# KiCad board AmigaPCI Mainboard.kicad_pcb (continued)
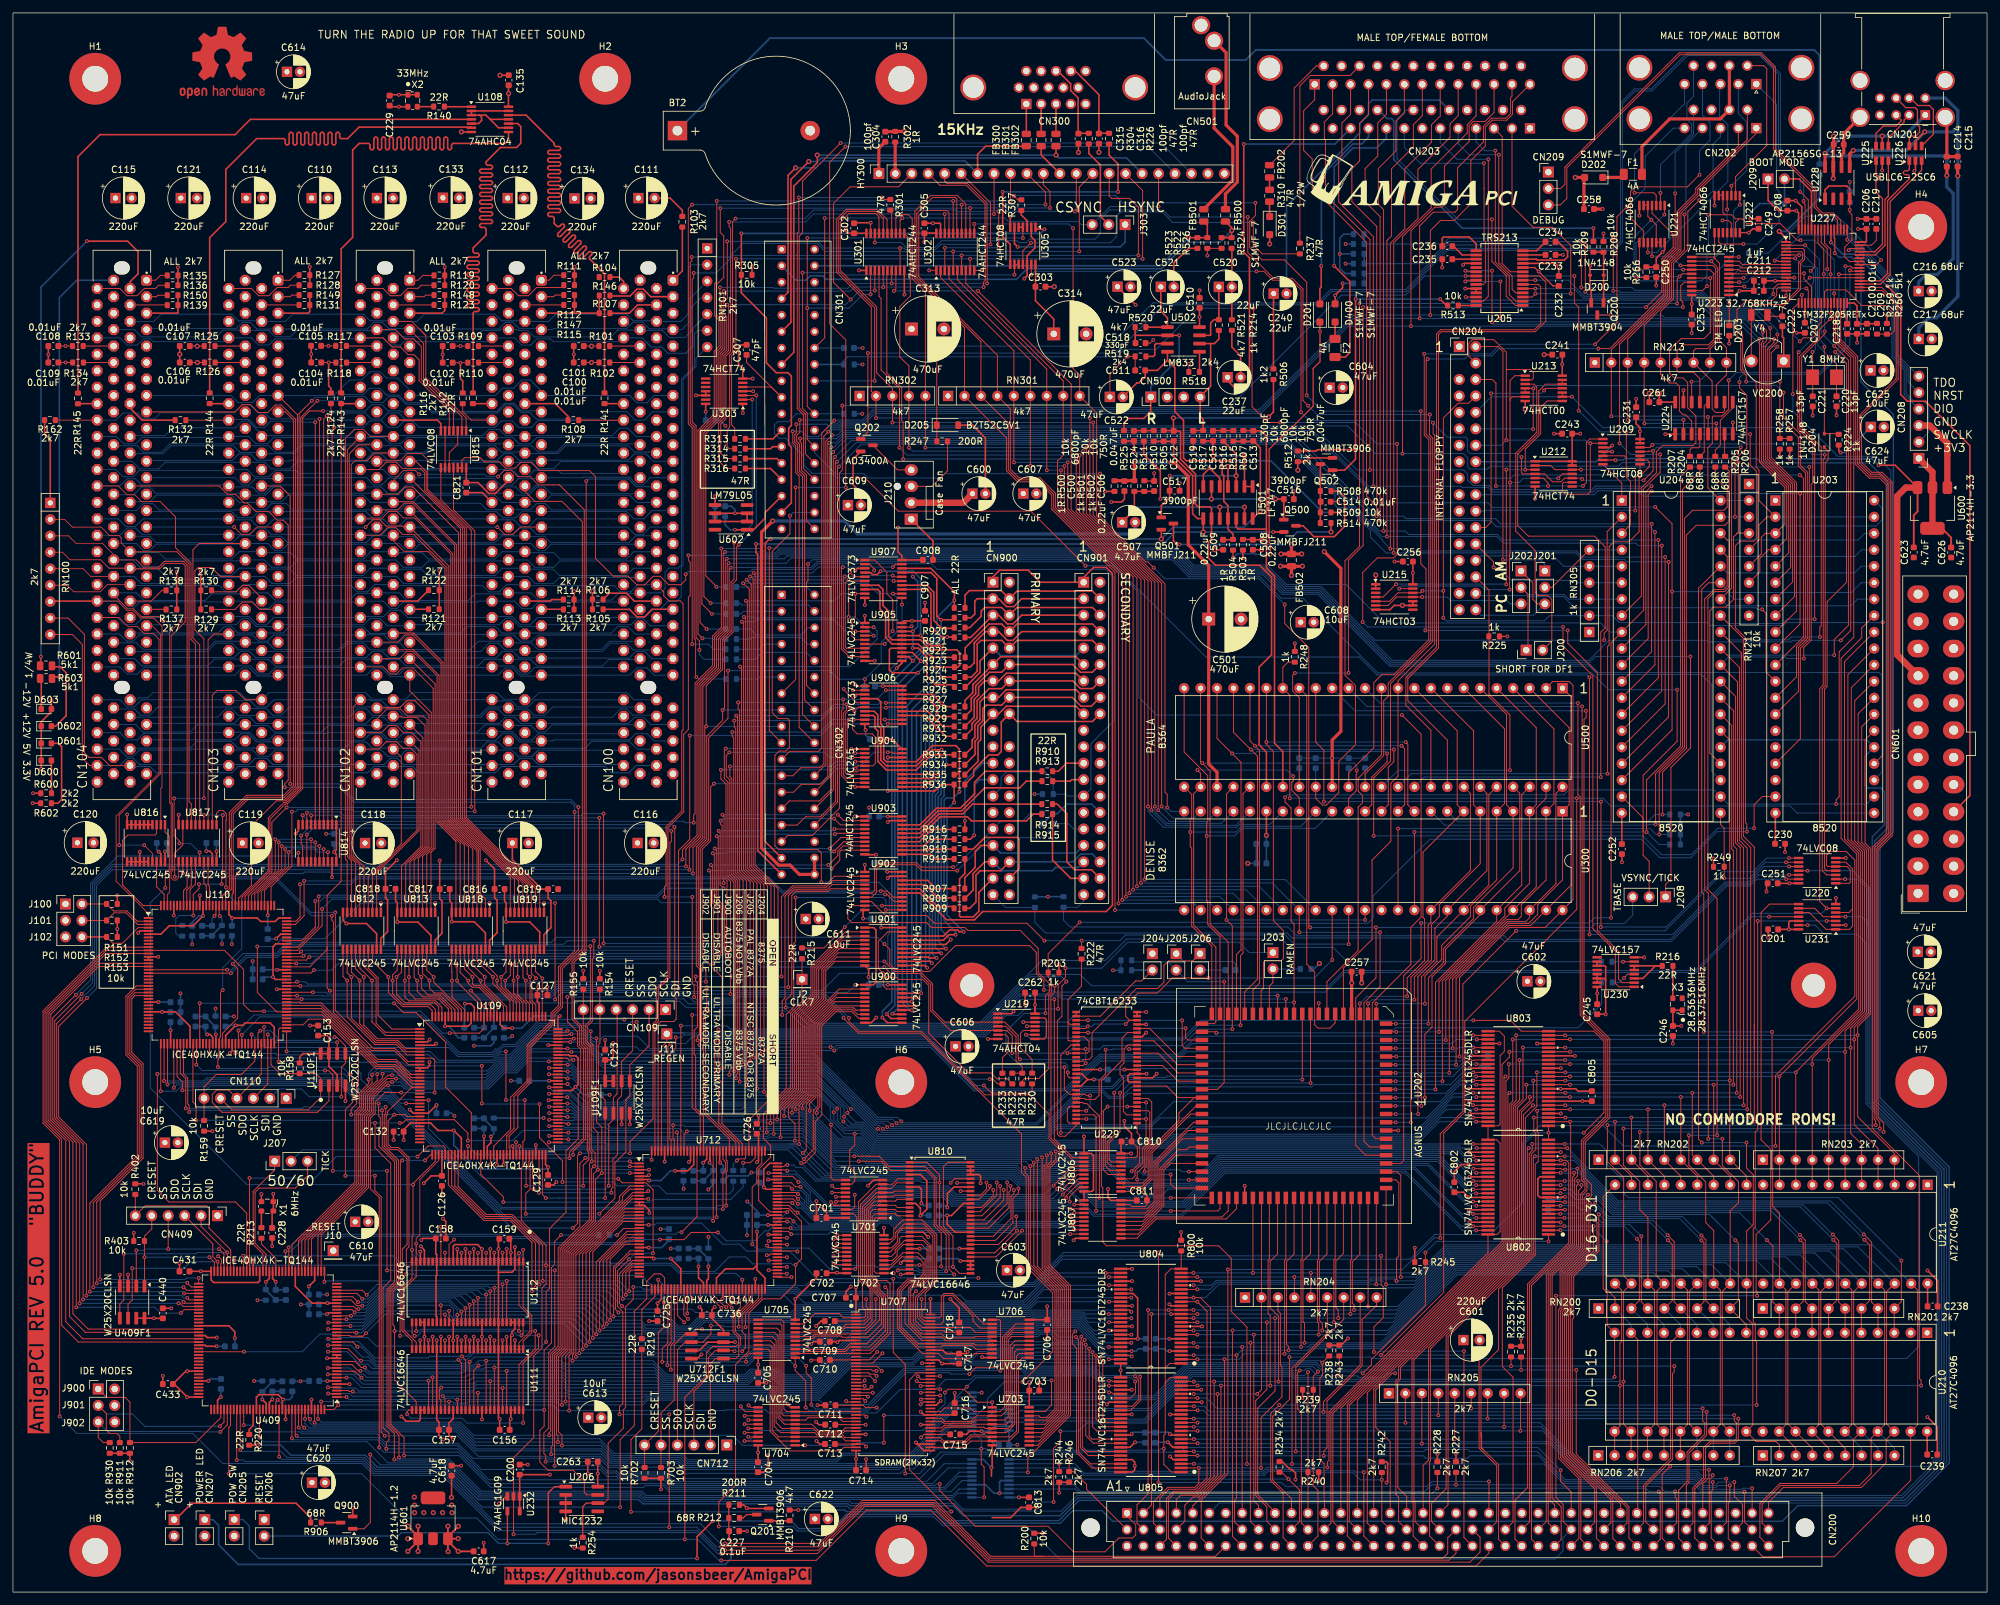
[diagram p0: board, top side]
## Routing (per net, layer and track width the routed paths; a pad name or vN(x,y) marks a point on that pad's centre or on a via; arc(x,y) is an arc through that point) (continued)
  Bottom w0.15: v1(234.98,67.29) 239.59,67.29 v1(239.6,67.28) 240.83,67.28 242.62,65.48 242.62,65.16 247.7,60.09 280.17,60.09 v1(285.87,54.39)
D14: length 144.9
  Top w0.15: v1(285.77,55.24) 286.98,54.03 286.98,44.76 RN201.8 287.96,40.06 ; U802.22 239.97,68.56 v1(239.98,68.55) ; CN200.c20 218.73,8.65 218.73,20.13 218.86,20.26 218.86,37.55 233.82,52.51 233.82,68.33 v1(234.05,68.56)
  Bottom w0.15: v1(234.05,68.56) 239.97,68.56 v1(239.98,68.55) ; 239.98,68.55 243.06,65.48 243.06,65.16 247.82,60.39 280.61,60.39 v1(285.77,55.24)
D15: length 147.3
  Top w0.15: v1(291.56,51.18) 291.56,44.84 RN201.9 ; CN200.b20 219.03,10.89 219.03,13.71 221.29,15.96 221.29,39.56 234.12,52.39 234.12,67.73 234.57,68.18 234.57,69.18 v1(234.58,69.19) ; U802.23 239.59,69.2 v1(239.6,69.19) ; U210.3 290.47,43.75
  Bottom w0.15: v1(291.56,51.18) 281.83,60.91 249.38,60.91 248.65,61.64 248.65,63.54 246.13,66.06 246.13,68.07 245.01,69.19 v1(239.6,69.19) v1(234.58,69.19)
D16: length 271.7
  Top w0.15: U227.56 279.7,208.29 280.65,207.34 v1(280.65,203.48) ; 268.86,83.82 268.86,113.21 268.86,113.21 268.86,115.04 267.18,116.72 267.18,147.25 U204.33 ; v1(247.36,72.62) RN202.2 249.9,64.21 U211.19 ; CN200.b25 234.16,10.84 234.16,47.45 240.51,53.8 240.51,71.85 240.43,71.93 v1(240.43,72.63) 240.43,72.63 U803.2 ; v1(268.86,72.63) 268.86,87.69 ; v1(280.56,196.58) 278.87,194.9 278.87,193.81 275.87,190.81 275.87,179.74 278.19,177.43 278.19,167.84 278.18,167.84 v1(278.18,150.23)
  Bottom w0.15: v1(280.65,203.48) 280.65,197.61 280.56,197.52 v1(280.56,196.58) ; v1(278.18,150.23) 273.9,150.23 273.23,149.56 264.87,149.56 U204.33 ; v1(268.86,72.63) 268.85,72.62 v1(247.36,72.62) 247.35,72.63 v1(240.43,72.63)
D17: length 274.1
  Top w0.15: v1(234.81,73.28) 234.81,71.22 235.12,70.91 235.12,68.31 234.44,67.63 234.44,52.29 221.58,39.43 221.58,13.5 CN200.a20 ; v1(268.3,73.27) 268.3,112.03 268.31,112.04 268.31,114.95 266.87,116.39 266.87,145.02 U204.32 ; U211.18 252.44,64.21 RN202.3 249.9,73.26 v1(249.89,73.27) ; v1(279.73,194.68) 279.73,194.24 276.17,190.69 276.17,179.86 279.2,176.83 279.2,149.2 278.99,148.98 v1(278.99,147.48) ; U803.3 239.69,73.27 v1(239.69,73.27) ; U227.57 279.2,208.37 280.12,207.44 v1(280.12,204.26)
  Bottom w0.15: v1(268.3,73.27) v1(249.89,73.27) v1(239.69,73.27) 239.68,73.28 v1(234.81,73.28) ; v1(279.73,194.68) 279.73,196.49 280.12,196.89 v1(280.12,204.26) ; v1(278.99,147.48) 274.57,147.48 274.11,147.02 264.87,147.02 U204.32
D18: length 276.5
  Top w0.15: CN200.b24 231.62,10.84 231.62,33.16 229.95,34.83 229.95,46.95 235.04,52.04 235.04,66.04 235.5,66.5 235.5,70.95 235.34,71.12 v1(235.34,74.3) ; v1(267.77,74.53) 267.77,114.87 266.57,116.07 266.57,142.78 U204.31 ; v1(281.21,192.42) 283.4,190.22 283.4,149.27 281.21,147.08 v1(281.21,144.68) ; v1(240.43,74.53) 240.42,74.54 U803.5 ; v1(279.59,203.52) 279.59,207.37 278.7,208.26 U227.58 ; U211.17 254.98,64.21 RN202.4 252.44,74.52 v1(252.45,74.53)
  Bottom w0.15: v1(235.34,74.3) 235.56,74.53 v1(240.43,74.53) v1(252.45,74.53) v1(267.77,74.53) ; v1(281.21,192.42) 279.2,194.42 279.2,196.55 279.59,196.94 v1(279.59,203.52) ; U204.31 264.68,144.67 281.2,144.67 v1(281.21,144.68)
D19: length 274.3
  Top w0.15: v1(276.5,144.15) 276.5,145.84 277.65,146.99 277.65,171.05 277.88,171.28 277.88,177.3 275.57,179.62 275.57,191.31 v1(275.71,191.45) ; U204.30 266.27,140.54 266.27,115.84 267.21,114.9 v1(267.21,75.17) ; v1(277.57,204.01) 278.2,204.64 U227.59 ; v1(254.98,75.17) RN202.5 257.52,64.21 U211.16 ; v1(239.68,75.17) 239.68,75.17 U803.6 ; v1(234.69,75.17) 233.22,73.69 233.22,52.76 216.31,35.86 216.31,14.15 216.49,13.97 216.49,10.89 CN200.b19
  Bottom w0.15: v1(275.71,191.45) 277.77,193.51 277.77,201.98 278,202.21 278,203.58 v1(277.57,204.01) ; v1(276.5,144.15) 273.87,144.15 273.64,144.38 264.87,144.38 U204.30 ; v1(267.21,75.17) v1(254.98,75.17) v1(239.68,75.17) 239.68,75.17 v1(234.69,75.17)
D20: length 189.1
  Top w0.15: U204.29 265.97,138.3 265.97,115.67 266.68,114.96 v1(266.68,76.44) ; v1(234.19,76.44) 234.19,75.83 232.62,74.26 232.62,53.01 214.24,34.63 214.24,32.92 213.82,32.5 213.82,16.12 215.19,14.75 CN200.a18 ; v1(240.41,76.44) 240.41,76.44 U803.8 ; v1(257.52,76.44) RN202.6 260.06,64.21 U211.15
  Bottom w0.15: v1(266.68,76.44) v1(257.52,76.44) v1(240.41,76.44) v1(234.19,76.44)
D21: length 196.3
  Top w0.15: v1(266.16,77.08) 266.16,114.73 265.67,115.22 265.67,136.06 U204.28 ; v1(231.05,77.09) 230.82,76.86 230.82,53.76 206.03,28.97 206.03,8.65 CN200.c15 ; U803.9 239.69,77.08 v1(239.69,77.08) ; U211.14 262.6,64.21 RN202.7 259.29,67.52 v1(259.29,77.08)
  Bottom w0.15: v1(266.16,77.08) v1(259.29,77.08) v1(239.69,77.08) 239.68,77.09 v1(231.05,77.09)
D22: length 187.6
  Top w0.15: v1(265.63,78.35) 265.63,114.49 265.37,114.75 265.37,133.82 U204.27 ; U803.11 240.41,78.35 v1(240.41,78.35) ; v1(262.59,78.35) 262.6,78.34 RN202.8 265.14,64.21 U211.13 ; CN200.b18 213.94,10.9 213.94,14.66 213.52,15.07 213.52,32.62 213.94,33.04 213.94,34.76 232.32,53.14 232.32,74.84 233.67,76.19 v1(233.67,78.34)
  Bottom w0.15: v1(265.63,78.35) v1(262.59,78.35) v1(240.41,78.35) 240.4,78.34 v1(233.67,78.34)
D23: length 184.8
  Top w0.15: v1(239.69,78.99) 239.68,78.98 U803.12 ; U211.12 267.68,64.21 RN202.9 ; v1(234.74,78.98) 234.74,75.96 232.92,74.14 232.92,52.89 216.01,35.98 216.01,14.02 216.19,13.85 216.19,8.65 CN200.c19 ; 265.07,67.03 v1(265.07,78.99) 265.07,131.58 U204.26
  Bottom w0.15: v1(265.07,78.99) v1(239.69,78.99) 239.68,78.98 v1(234.74,78.98)
D24: length 223.1
  Top w0.15: U203.33 285.45,148.86 285.45,147.37 282.27,144.19 282.27,116.39 284.68,113.98 284.68,91.57 v1(272.73,79.62) RN203.2 ; U211.10 272.76,66.71 ; U803.13 240.41,79.62 v1(240.41,79.62) ; v1(230.44,79.61) 230.22,79.38 230.22,54.01 203.79,27.58 203.79,10.89 CN200.b14
  Bottom w0.15: v1(272.73,79.62) v1(240.41,79.62) 240.4,79.61 v1(230.44,79.61)
D25: length 210.1
  Top w0.15: 275.27,62.91 RN203.3 v1(275.27,80.25) 275.27,80.3 284.98,90.01 284.98,114.1 282.79,116.29 282.79,143.67 U203.32 ; v1(235.29,80.25) 235.29,75 233.52,73.23 233.52,52.64 218.56,37.67 218.56,20.38 217.73,19.56 CN200.a19 ; v1(239.68,80.25) 239.68,80.25 U803.14
  Bottom w0.15: v1(275.27,80.25) v1(239.68,80.25) v1(235.29,80.25)
D26: length 218.6
  Top w0.15: U203.31 283.32,141.65 283.32,116.19 285.28,114.23 285.28,89.88 277.81,82.41 v1(277.81,81.53) RN203.4 277.81,62.91 ; U803.16 240.41,81.52 v1(240.42,81.53) ; CN200.a14 205.03,28.39 230.52,53.88 230.52,78.93 230.97,79.38 v1(230.97,81.53)
  Bottom w0.15: v1(277.81,81.53) v1(240.42,81.53) v1(230.97,81.53)
D27: length 217.6
  Top w0.15: U203.30 283.84,139.64 283.84,116.09 285.58,114.35 285.58,89.76 280.35,84.53 v1(280.35,82.16) RN203.5 280.35,62.91 ; U803.17 239.67,82.16 v1(239.67,82.16) ; CN200.b16 209.11,10.65 209.11,30.77 231.72,53.38 231.72,75.09 232.62,75.99 v1(232.62,82.15)
  Bottom w0.15: v1(280.35,82.16) v1(239.67,82.16) 239.66,82.15 v1(232.62,82.15)
D28: length 221.6
  Top w0.15: v1(231.04,83.43) 231.04,82.59 229.92,81.47 229.92,54.13 203.49,27.7 203.49,10.65 CN200.b13 ; 282.89,62.91 RN203.6 v1(282.89,83.43) 282.89,86.64 285.88,89.63 285.88,114.48 284.37,115.99 284.37,137.62 U203.29 ; v1(240.41,83.43) 240.41,83.43 U803.19
  Bottom w0.15: v1(282.89,83.43) v1(240.41,83.43) v1(231.04,83.43)
D29: length 213
  Top w0.15: v1(233.15,84.07) 233.14,84.06 233.14,76.09 232.02,74.97 232.02,53.26 210.11,31.35 CN200.a16 ; 285.43,62.91 RN203.7 285.43,69.15 283.74,70.84 v1(283.74,84.06) 283.74,87.07 286.18,89.51 286.18,114.6 284.89,115.89 284.89,135.6 U203.28 ; v1(239.67,84.06) 239.67,84.06 U803.20
  Bottom w0.15: v1(233.15,84.07) 239.66,84.07 v1(239.67,84.06) v1(283.74,84.06)
D30: length 219
  Top w0.15: v1(231.57,85.33) 231.57,75.79 231.12,75.34 231.12,53.63 206.33,28.84 206.33,10.89 CN200.b15 ; v1(240.41,85.34) 240.4,85.33 U803.22 ; U203.27 285.45,133.62 285.45,115.76 286.48,114.73 286.48,89.38 284.29,87.19 v1(284.29,85.34) 284.29,72.18 287.97,68.5 RN203.8 287.97,62.91
  Bottom w0.15: v1(284.29,85.34) v1(240.41,85.34) 240.4,85.33 v1(231.57,85.33)
D31: length 213.4
  Top w0.15: U803.23 239.66,85.97 v1(239.66,85.97) ; U203.26 285.97,131.6 285.97,115.66 286.78,114.85 286.78,89.26 284.82,87.3 v1(284.82,85.97) 284.82,73.41 290.51,67.72 RN203.9 290.51,62.91 ; CN200.a15 207.57,29.66 231.42,53.51 231.42,75.22 232.1,75.89 232.1,85.96 v1(232.09,85.97)
  Bottom w0.15: v1(232.09,85.97) v1(239.66,85.97) v1(284.82,85.97)
DA0: length 67.3
  Top w0.15: v1(104.88,89.11) 104.88,89.1 104.88,74.85 106.12,73.6 U712.129 ; U902.3 126.61,109.89 125.47,108.74 120.49,108.74 119.2,107.45 119.2,91.71 118.77,91.28 v1(118.77,89.12)
  Bottom w0.15: v1(118.77,89.12) 104.89,89.12 v1(104.88,89.11)
DA1: length 67.6
  Top w0.15: U712.128 106.62,73.53 105.41,74.74 105.41,82.81 105.18,83.04 105.18,86.75 105.7,87.28 105.7,94.06 105.41,94.36 105.41,95.05 v1(105.41,95.06) ; U902.2 126.84,110.54 125.34,109.04 120.37,109.04 118.65,107.33 v1(118.65,95.06)
  Bottom w0.15: v1(118.65,95.06) v1(105.41,95.06)
DA2: length 66.4
  Top w0.15: U902.4 126.47,109.24 125.67,108.44 120.62,108.44 119.72,107.54 119.72,93.41 v1(119.72,93.4) ; U712.120 110.62,69.95 106.62,73.95 106.62,89.8 107.12,90.3 v1(107.12,93.4)
  Bottom w0.15: v1(119.72,93.4) v1(107.12,93.4)
DBDIR: length 82.6
  Top w0.15: v1(122.4,28.51) 122.4,32.59 120.78,34.21 v1(120.78,34.93) 120.77,34.93 U705.1 ; U706.1 152.31,42.05 152.48,41.88 152.48,35.25 151.93,34.71 148.71,34.71 v1(147.67,33.67) ; v1(101.05,35.02) 101.05,37.98 101.62,38.55 U712.43
  Bottom w0.15: v1(120.78,34.93) 119.48,36.22 114.76,36.22 113.56,35.02 v1(101.05,35.02) ; v1(122.4,28.51) 122.94,27.96 131.95,27.96 137.86,33.88 144.6,33.88 144.81,33.67 v1(147.67,33.67)
DIR: length 81.6
  Top w0.15: v1(275.9,172.5) 276.45,171.94 276.45,147.49 U203.11
  Bottom w0.15: v1(275.9,172.5) 231.77,172.5 231.27,172 CN204.18
DKWE: length 107
  Top w0.15: v1(245.16,125.85) 245.16,148.23 245.85,148.92 245.85,161.39 244.19,163.05 233.98,163.05 232.32,164.7 232.32,175.73 235.58,178.98 235.58,185.47 236.63,186.52 239.21,186.52 U213.13
  Bottom w0.15: v1(245.16,125.85) 217.9,125.85 U500.39
DMAL: length 54.3
  Top w0.15: U500.12 211.31,129.27 207.69,125.66 207.69,123.67 208.38,122.99 208.38,121.89 207.69,121.2 207.69,99.06 202.88,94.24 U202.18
DMALATCH: length 64.6
  Top w0.15: U810.26 139.99,50.49 v1(139.99,50.49) ; v1(143.33,50.29) 143.33,55.43 142.24,56.52 142.24,63.85 141,65.09 U810.3 135.51,65.09 134.08,66.52 v1(130.6,66.52) ; v1(104.05,71.14) 103.62,70.71 U712.134
  Bottom w0.15: 121.99,71.58 121.2,71.58 ; 121.99,71.58 121.2,71.58 ; 121.99,71.58 127.06,66.52 v1(130.6,66.52) ; 121.2,71.58 116.13,71.58 115.69,71.14 v1(104.05,71.14) ; v1(139.99,50.49) 140.88,50.49 141.16,50.21 143.25,50.21 v1(143.33,50.29)
DRA0-G: length 31.8
  Top w0.15: U806.13 174.45,63.18 175.27,63.99 175.27,68.09 180.02,72.84 180.02,73.97 182.4,76.35 U202.42 179.9,76.35 178.12,78.13 U229.10
DRA1-0: length 20
  Top w0.15: 171.18,62.62 174.32,62.62 175.57,63.87 175.57,67.97 182.68,75.08 U202.43
DRA2-1: length 19.9
  Top w0.15: U202.44 181.84,73.81 175.87,67.84 175.87,63.74 174.45,62.32 173.14,62.32 172.7,61.88 U806.11
DRA3-2: length 21.7
  Top w0.15: U202.45 182.29,72.54 176.19,66.44 176.19,60.26 175.12,59.19 U807.18
DRA4-3: length 21.4
  Top w0.15: U202.46 181.44,71.27 176.49,66.32 176.49,60.14 174.89,58.53 U807.17
DRA5-4: length 21.1
  Top w0.15: U202.47 180.6,70 176.79,66.2 176.79,60.02 174.66,57.88 U807.16
DRA6-5: length 20.5
  Top w0.15: U202.48 181.61,68.73 181.2,68.32 179.99,68.32 177.09,65.42 177.09,59.89 174.44,57.24 U807.15
DRA7-6: length 20.2
  Top w0.15: U807.14 174.21,56.58 177.39,59.77 177.39,65.29 179.56,67.46 U202.49
DRA8-7: length 20
  Top w0.15: U202.50 178.71,66.19 177.69,65.17 177.69,59.64 173.99,55.94 U807.13
DRA9-8: length 29.7
  Top w0.15: U229.37 163.35,84.48 161.79,82.92 v1(161.79,70.91) ; v1(168.88,70.29) 168.65,70.06 168.65,65.81 169.34,65.12 U806.16
  Bottom w0.15: v1(168.88,70.29) 168.25,70.91 161.8,70.91 v1(161.79,70.91)
DRD0: length 146.8
  Top w0.15: U500.10 222.99,132.98 222.99,121.57 U300.7 217.71,114.25 217.71,104.19 217.96,103.94 217.96,97.54 215.27,94.85 v1(215.27,91.99) ; U810.52 145.4,63.82 v1(144.78,63.2) 144.79,63.19 ; U202.14 v1(207.96,90.88)
  In3.Cu w0.15: v1(207.96,90.88) 207.96,86.96 206.81,85.8 163.82,85.8 161.47,83.45 161.47,78.95 147.37,64.84 146.42,64.84 v1(144.78,63.2)
  Bottom w0.15: v1(207.96,90.88) 209.07,91.99 v1(215.27,91.99)
DRD1: length 146.7
  Top w0.15: v1(216.38,91.46) 216.38,94.98 219.02,97.62 219.02,103.09 220.22,104.29 220.22,106.15 226.55,112.48 U300.6 225.53,121.57 225.53,132.98 U500.9 ; U202.13 v1(209.23,90.88) ; v1(145.78,63.18) 145.79,63.19 U810.51
  In3.Cu w0.15: v1(145.78,63.18) 146.13,63.18 161.77,78.82 161.77,83.33 163.95,85.5 208.31,85.5 209.23,86.43 v1(209.23,90.88)
  Bottom w0.15: v1(209.23,90.88) 209.81,91.46 v1(216.38,91.46)
DRD2: length 148.2
  Top w0.15: v1(218.01,90.86) 218.01,95.12 220.6,97.7 220.6,99.87 225.04,104.3 225.04,105.91 229.09,109.96 U300.5 230.31,121.76 230.31,133.28 U500.7 ; U810.49 v1(146.32,61.91) ; U202.12 210.5,90.85 v1(210.51,90.86)
  In3.Cu w0.15: v1(146.32,61.91) 146.32,62.95 163.54,80.17 163.54,83.49 165.26,85.2 209.1,85.2 210.51,86.62 v1(210.51,90.86)
  Bottom w0.15: v1(210.51,90.86) v1(218.01,90.86)
DRD3: length 148.2
  Top w0.15: U810.48 149.37,61.28 150.31,62.22 v1(150.31,63.24) ; v1(213.51,87.76) 213.49,87.78 U202.11 ; U500.6 230.61,135.52 230.61,121.57 U300.4 231.63,111.83 225.52,105.73 225.52,104.02 220.9,99.39 220.9,97.21 218.54,94.85 v1(218.54,87.76)
  In3.Cu w0.15: v1(213.51,87.76) 209.14,83.39 174.5,83.39 172.99,84.91 165.39,84.91 163.84,83.36 163.84,80.05 150.31,66.51 v1(150.31,63.24)
  Bottom w0.15: v1(218.54,87.76) v1(213.51,87.76)
DRD4: length 150.4
  Top w0.15: v1(150.84,62.71) 150.84,62.32 149.16,60.64 U810.47 ; U202.10 213.58,86.51 v1(213.59,86.5) ; U500.5 235.19,133.47 235.19,121.57 U300.3 234.17,109.44 230.34,105.61 230.34,104.41 220.18,94.25 v1(220.18,86.5)
  In3.Cu w0.15: v1(213.59,86.5) 210.18,83.09 164.87,83.09 164.14,82.36 164.14,79.92 150.84,66.62 v1(150.84,62.71)
  Bottom w0.15: v1(213.59,86.5) v1(220.18,86.5)
DRD5: length 155.1
  Top w0.15: v1(151.36,62.08) 151.36,61.2 149.54,59.38 147.85,59.38 ; U500.4 237.93,133.28 237.93,121.76 U300.2 236.71,109.96 232.89,106.14 232.89,104.33 232.39,103.83 230.61,103.83 221.23,94.45 v1(221.23,85.23) ; v1(213.48,85.23) 212.02,85.23
  In3.Cu w0.15: v1(213.48,85.23) 211.04,82.79 164.99,82.79 164.44,82.24 164.44,79.8 151.36,66.72 v1(151.36,62.08)
  Bottom w0.15: v1(213.48,85.23) v1(221.23,85.23)
DRD6: length 158.5
  Top w0.15: v1(222.29,83.97) 222.29,94.67 230.86,103.23 234,103.23 235.42,104.65 235.42,106.13 239.25,109.96 U300.1 240.27,121.57 240.27,133.47 U500.3 ; v1(213.48,83.97) U202.8 ; v1(151.9,63.24) 151.9,61.32 149.32,58.74 U810.44
  In3.Cu w0.15: v1(213.48,83.97) 211.97,82.46 165.09,82.46 164.74,82.12 164.74,79.68 151.9,66.83 v1(151.9,63.24)
  Bottom w0.15: v1(222.29,83.97) v1(213.48,83.97)
DRD7: length 163.4
  Top w0.15: v1(223.34,82.7) 223.34,94.87 231.11,102.63 236.57,102.63 U300.48 240.88,106.93 240.88,140 240.27,140.6 237.74,140.6 U500.2 ; v1(152.43,62.68) 152.43,60.93 149.61,58.1 U810.43 ; U202.7 v1(213.59,82.7)
  In3.Cu w0.15: v1(152.43,62.68) 152.43,66.93 153,67.51 167.65,82.16 213.05,82.16 v1(213.59,82.7)
  Bottom w0.15: v1(223.34,82.7) v1(213.59,82.7)
DRD8: length 158.6
  Top w0.15: U810.42 149.94,57.47 152.97,60.5 v1(152.97,62.08) ; U500.1 240.57,138.25 240.57,109.17 U300.47 234.33,102.93 230.98,102.93 222.82,94.77 v1(222.82,81.42) ; v1(213.49,81.42) 212.02,81.42
  In3.Cu w0.15: v1(152.97,62.08) 152.97,67.05 153.2,67.29 167.78,81.86 213.05,81.86 v1(213.49,81.42)
  Bottom w0.15: v1(222.82,81.42) v1(213.49,81.42)
DRD9: length 143.4
  Top w0.15: U500.48 238.23,123.31 238.23,109.36 U300.46 234.17,104.12 233.58,103.53 230.73,103.53 221.77,94.57 v1(221.77,80.17) ; v1(153.5,63.24) 153.5,60.02 150.31,56.83 U810.41 ; v1(213.48,80.17) 212.02,80.17
  In3.Cu w0.15: v1(153.5,63.24) 153.5,67.15 167.9,81.56 212.09,81.56 v1(213.48,80.17)
  Bottom w0.15: v1(221.77,80.17) v1(213.48,80.17)
DRD10: length 142.3
  Top w0.15: 231.63,105.28 220.7,94.35 220.7,78.88 v1(220.71,78.88) ; v1(213.48,78.88) 212.02,78.88 ; U810.40 150.66,56.2 153.8,59.33 153.8,61.77 154.02,62 v1(154.02,62.69) ; U500.47 236.71,122.57 235.19,121.05 235.19,108.87 U300.45
  In3.Cu w0.15: v1(213.48,78.88) 211.14,81.21 174.54,81.21 174.5,81.26 169.41,81.26 167.97,79.81 166.58,79.81 154.02,67.25 v1(154.02,62.69)
  Bottom w0.15: v1(220.71,78.88) v1(213.48,78.88)
DRD11: length 143.7
  Top w0.15: v1(213.47,77.62) U202.3 ; U500.46 232.95,123.12 232.95,109.17 U300.44 229.09,103.58 219.64,94.13 v1(219.64,77.62) ; v1(154.55,62.08) 154.55,61.5 154.1,61.05 154.1,57.66 151.36,54.93 U810.38
  In3.Cu w0.15: v1(154.55,62.08) 154.55,63.41 154.32,63.64 154.32,67.13 165.59,78.4 167.12,78.4 168.68,79.96 173.72,79.96 174.67,80.91 210.18,80.91 v1(213.47,77.62)
  Bottom w0.15: v1(219.64,77.62) v1(213.47,77.62)
DRD12: length 145
  Top w0.15: U500.45 232.65,123.31 232.65,111.41 U300.43 226.55,104.56 226.49,104.56 221.2,99.27 221.2,97.09 219.1,94.99 219.1,87.24 218,86.13 v1(218,76.35) ; v1(155.25,62.32) 155.25,61.63 154.39,60.77 154.39,57 151.69,54.3 147.85,54.3 ; v1(213.47,76.34) 212.02,76.34
  In3.Cu w0.15: v1(155.25,62.32) 155.25,63.13 154.62,63.76 154.62,67.01 165.72,78.1 167.24,78.1 168.8,79.66 173.84,79.66 174.79,80.61 209.19,80.61 v1(213.47,76.34)
  Bottom w0.15: v1(213.47,76.34) 213.48,76.35 v1(218,76.35)
DRD13: length 144.6
  Top w0.15: U500.44 227.88,123.12 227.88,109.17 U300.42 219.85,101.14 219.85,97.38 217.47,95 v1(217.47,75.08) ; v1(154.92,58) 154.92,56.44 152.14,53.66 U810.36 ; v1(213.46,75.08) U202.1
  In3.Cu w0.15: v1(154.92,58) 154.92,60.78 155.78,61.64 155.78,63.03 154.92,63.89 154.92,66.88 165.84,77.8 167.37,77.8 168.91,79.35 197.1,79.35 197.41,79.66 208.88,79.66 v1(213.46,75.08)
  Bottom w0.15: v1(217.47,75.08) v1(213.46,75.08)
DRD14: length 146.3
  Top w0.15: v1(216.96,73.81) 216.93,73.84 216.93,95.02 219.55,97.64 219.55,102.47 219.54,102.48 221.47,104.41 U300.41 227.57,111.41 227.57,123.31 U500.43 ; v1(155.03,55.81) 151.61,52.39 U810.34 ; v1(213.5,73.81) U202.84
  In3.Cu w0.15: v1(155.03,55.81) 155.44,56.22 155.44,60.88 156.08,61.51 156.08,63.15 155.22,64.01 155.22,66.76 165.97,77.5 167.49,77.5 168.27,78.28 199.29,78.28 200.13,79.12 208.19,79.12 v1(213.5,73.81)
  Bottom w0.15: v1(216.96,73.81) v1(213.5,73.81)
DRD15: length 145.9
  Top w0.15: v1(215.82,72.53) 215.82,90.74 215.85,90.77 215.85,94.93 218.5,97.58 218.5,102.99 218.93,103.42 U300.40 225.04,111.41 225.04,123.31 U500.42 ; v1(213.49,72.53) 212.02,72.53 ; 147.85,51.75 151.77,51.75 v1(155.82,55.81)
  In3.Cu w0.15: v1(155.82,55.81) 155.82,60.83 156.4,61.41 156.4,63.26 155.52,64.14 155.52,66.63 166.09,77.2 167.61,77.2 168.4,77.98 208.04,77.98 v1(213.49,72.53)
  Bottom w0.15: v1(215.82,72.53) v1(213.49,72.53)
DRDDIR: length 57.7
  Top w0.15: U810.28 137.68,49.21 137.5,49.03 v1(137.07,49.03) ; U712.107 119.05,65.7 119.29,65.94 v1(119.56,65.94) ; v1(145.34,49.03) 144.53,49.84 144.53,55.16 143.06,56.63 v1(143.06,63.24) 143.06,64.41 141.11,66.36 U810.1
  Bottom w0.15: v1(143.06,63.24) 140.27,63.24 140.05,63.46 123.95,63.46 121.84,65.57 120.94,65.57 120.57,65.94 v1(119.56,65.94) ; v1(137.07,49.03) v1(145.34,49.03)
FANPWM: length 213
  Top w0.15: Q202.1 132,179.12 v1(132,191.32) ; v1(275.95,216.23) 277.2,214.98 U227.61
  Bottom w0.15: v1(132,191.32) 170.23,191.32 177.68,198.76 201.55,198.76 203.61,200.82 207.33,200.82 207.36,200.8 215.12,200.8 221.51,207.19 247.2,207.19 248.5,208.49 248.5,229.82 250.47,231.79 253.07,231.79 258.6,237.32 269.6,237.32 272.6,234.32 272.6,221.95 275.95,218.6 v1(275.95,216.23)
FANTACH: length 203.1
  Top w0.15: v1(276.48,214.8) 276.48,214.52 276.7,214.3 U227.62 ; D205.1 142.64,192.37 v1(142.62,192.39) ; R247.2 142.65,180.18
  Bottom w0.15: v1(142.62,192.39) 169.33,192.39 176,199.06 201.42,199.06 203.48,201.12 215.02,201.12 221.38,207.49 247.08,207.49 248.2,208.61 248.2,229.94 250.37,232.11 252.97,232.11 258.48,237.62 269.72,237.62 272.9,234.44 272.9,222.07 276.48,218.49 v1(276.48,214.8)
FLTLEFT: length 78.5
  Top w0.25: FB500.1 188.15,210.7 188.15,210.28 v2(188.18,210.25) 188.15,210.22 188.15,209.14 186.61,209.14
  Bottom w0.25: CN301.3 120.93,202.56 122.41,202.56 123.09,203.24 125.04,203.24 125.58,202.7 154.93,202.7 156.57,204.34 177.34,204.34 181.42,208.42 186.36,208.42 v2(188.18,210.25)
FLTRIGHT: length 65.2
  Top w0.25: FB501.1 184.41,211.09 184.41,209.14 181.51,209.14 v2(181.51,209.15)
  Bottom w0.25: CN301.4 177.16,204.8 v2(181.51,209.15)
IDEDIR: length 103
  Top w0.15: 42.28,91.56 v1(44.56,91.56) ; v1(130.06,93.76) U900.1
  Top w0.25: U901.1 132.9,102.6 133.26,102.24 133.26,94.18 132.84,93.76 U900.1
  Bottom w0.15: v1(130.06,93.76) 128.87,92.56 111.74,92.56 110.91,91.73 106.58,91.73 105.91,92.41 99.16,92.41 98.67,92.9 84.19,92.9 83.03,91.74 66.53,91.74 66.35,91.56 v1(44.56,91.56)
IDSEL0: length 135.8
  Top w0.15: v1(86.49,67.53) 86.49,68.05 88.38,69.94 88.38,83.96 87.76,84.58 87.76,87.44 86.62,88.57 86.62,97.22 88.51,99.1 88.51,171.54 v1(88.52,171.55) ; U109.48 70.23,68.88 v1(70.24,68.89)
  Bottom w0.15: v1(88.52,171.55) 88.84,171.87 95.06,171.87 96.25,170.68 99.24,170.68 ; v1(86.49,67.53) 86.49,67.53 71.59,67.53 v1(70.24,68.89)
IDSEL1: length 114.1
  Top w0.15: U109.61 76.73,68.54 76.6,68.66 76.6,70.38 77.95,71.72 77.95,76.67 79.99,78.71 79.99,84.21 83.68,87.9 83.68,89.18 84.82,90.32 84.82,96.27 87.91,99.35 87.91,165.27 84.76,168.42 80.59,168.42 79.04,169.96 CN101.A26
IDSEL2: length 150.9
  Top w0.13: v1(74.9,172.25) 75.83,173.18 76.98,173.18 77.93,172.23 79.87,172.23 81.13,170.97 83.4,170.97 ; CN102.A26 58.72,171.64 60.26,173.18 62.12,173.18 v1(62.7,172.6)
  Top w0.15: v1(85.92,67.01) 85.92,67.9 88.09,70.07 88.09,83.84 87.46,84.46 87.46,87.31 86.32,88.45 86.32,97.34 88.21,99.23 88.21,167.13 84.37,170.97 83.4,170.97 ; U109.55 v1(73.73,66.06)
  Bottom w0.13: v1(62.7,172.6) 72.84,172.6 73.2,172.24 74.89,172.24 v1(74.9,172.25)
  Bottom w0.15: v1(73.73,66.06) 73.73,66.13 74.61,67.01 v1(85.92,67.01)
IDSEL3: length 153.8
  Top w0.15: v1(42.8,124.79) 42.8,169.26 41.25,170.8 CN103.A26 ; U109.60 76.23,70.42 77.36,71.55 77.36,76.5 79.69,78.83 79.69,84.33 83.38,88.02 83.38,89.3 84.53,90.45 84.53,96.39 87.3,99.17 v1(87.3,121.21)
  Bottom w0.15: v1(42.8,124.79) 50.3,124.79 52.72,122.37 86.14,122.37 v1(87.3,121.21)
IDSEL4: length 174.2
  Top w0.15: v1(86.72,120.45) 86.72,99.01 84.22,96.51 84.22,90.57 83.08,89.43 83.08,88.15 79.39,84.46 79.39,78.96 76.83,76.4 76.83,73.12 ; CN104.A26 31.82,170.8 33.12,169.5 34.39,169.5 35.72,168.17 36.2,168.17 37.53,166.84 39.49,166.84 40.81,165.52 41.73,165.52 42.5,164.75 42.5,125.36 41.98,124.84 v1(41.98,124.27) ; 76.83,73.12 76.83,71.45 ; 76.83,73.12 76.83,71.45 ; 76.83,71.45 74.23,68.85 U109.56
  Bottom w0.15: v1(86.72,120.45) 86.72,121.37 86.12,121.97 52.7,121.97 50.4,124.26 41.99,124.26 v1(41.98,124.27)
INTRP: length 102.5
  Top w0.15: v1(134,108.25) 134.97,108.25 135.93,107.29 U902.14 ; v1(44.95,109.81) 44.95,104.44 43.6,103.09 U110.106
  Bottom w0.15: v1(44.95,109.81) 52.35,109.81 52.97,110.44 116.69,110.44 118.88,108.25 v1(134,108.25)
INTRS: length 102.1
  Top w0.15: v1(134.67,107.72) 134.96,107.72 136.05,106.64 U902.13 ; v1(44.33,109.28) 44.33,104.24 43.68,103.59 U110.107
  Bottom w0.15: v1(134.67,107.72) 132.69,107.72 132.46,107.95 118.76,107.95 116.57,110.13 53.1,110.13 52.25,109.28 v1(44.33,109.28)
IORDY: length 98.8
  Top w0.15: v1(43.07,120.51) 43.07,112.13 39.84,108.9 U110.110 ; v1(71.29,120.56) 71.29,120.56 71.29,163.87 68.02,167.14 U815.11
  Bottom w0.15: v1(71.29,120.56) 71.24,120.51 52.7,120.51 52.35,120.85 44,120.85 43.66,120.51 v1(43.07,120.51)
KBData: length 59.3
  Top w0.15: v1(266.57,186.82) 266.57,185.96 267.7,184.83 267.7,176.66 265.88,174.84 v1(265.88,166.02) ; U227.39 283.75,203.97 v1(283.62,204.1)
  Bottom w0.15: U204.39 RN211.3 ; v1(283.62,204.1) 283.62,192.6 279.06,188.04 267.08,188.04 266.57,187.53 v1(266.57,186.82)
LATCHCLK: length 72.7
  Top w0.15: U712.137 102.12,69.77 101.92,69.97 101.92,72.06 v1(101.94,72.08) ; v1(144.09,49.56) 144.09,55.18 142.54,56.73 142.54,63.98 140.79,65.72 U810.2 135.3,65.72 133.72,67.3 v1(129.9,67.3) ; v1(136.6,49.67) 136.78,49.85 U810.27
  Bottom w0.15: v1(101.94,72.08) 103.55,72.08 103.75,71.88 122.12,71.88 126.71,67.3 v1(129.9,67.3) ; v1(144.09,49.56) 143.86,49.33 139.94,49.33 139.61,49.67 v1(136.6,49.67)
LVA0: length 233
  Top w0.15: v1(86.92,36.32) 86.91,36.32 86.91,52.04 95.58,60.7 U712.12 v1(98.09,60.7) ; v1(164.04,40.27) 163.58,39.81 163.58,38.31 164.21,37.68 164.21,27 164.21,27 164.21,21.53 166.58,19.17 U805.47 ; U110.62 v1(35.34,86.05)
  In2.Cu w0.15: v1(98.09,60.7) 98.62,61.22 98.62,62.16 96.84,63.93 96.84,84.98 96.3,85.52 v1(96.3,88.04)
  Bottom w0.15: v1(86.92,36.32) 104.66,36.32 104.9,36.07 113.76,36.07 114.51,36.82 124.72,36.82 127.96,40.06 158.03,40.06 158.38,40.41 160.84,40.41 160.95,40.31 164,40.31 v1(164.04,40.27) ; v1(96.3,88.04) 95.45,88.04 95.22,87.81 81.16,87.81 77.61,84.25 75.78,84.25 75.08,83.55 74.62,83.55 74.07,83.01 68.79,83.01 62.98,88.81 38.1,88.81 v1(35.34,86.05)
